# Altium PCB JMU-ETA-Ruler V1.0.PcbDoc (part 2 of 2)
Units mil, origin at the board's own origin, x right, y up, seen from the top; angles counter-clockwise.
Board outline 6151.76 x 960.54 mil, 2 copper layers (Top Layer, Bottom Layer); 27 components, 0 nets, 843 pads, 6 vias.
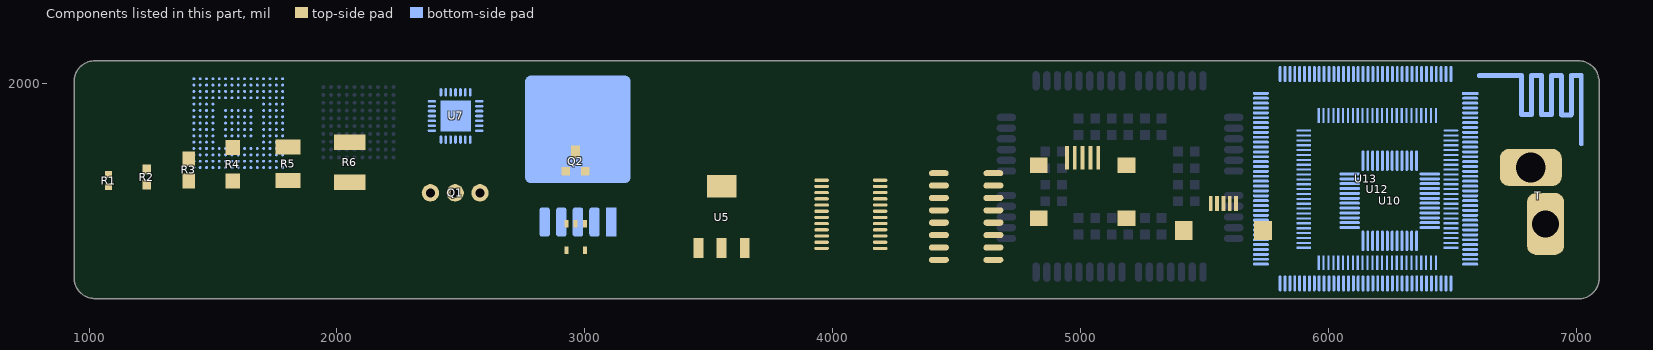
[diagram p2: the components of this part, seen from the top]

## Via types
v1: diameter 125.98, hole 118.11, Top Layer to Bottom Layer, 1 vias
v2: diameter 86.61, hole 78.74, Top Layer to Bottom Layer, 1 vias
v3: diameter 66.93, hole 59.06, Top Layer to Bottom Layer, 1 vias
v4: diameter 43.31, hole 35.43, Top Layer to Bottom Layer, 1 vias
v5: diameter 35.43, hole 27.56, Top Layer to Bottom Layer, 1 vias
v6: diameter 27.56, hole 19.68, Top Layer to Bottom Layer, 1 vias

## Nets (pads, with @x,y where several pads share a name; then routed paths per layer and width w, separated by ;. In a path a pad name is that pad's centre, name@x,y a point inside that pad or via, vN(x,y) a via of type N, cw(c..) or ccw(c..) an arc to the next point about the centre after c; other vN are vias at no path point) (continued)
copper on no net: | length 29647
  Top Layer w0.2: 1050.4,1811.8 1066.8,1811.8 ; 1050.4,1812 1067.2,1812 ; 1050.6,1811.6 1066.4,1811.6 ; 1050.6,1812.2 1067.6,1812.2 ; 1050.8,1811.4 1066,1811.4 ; 1050.8,1812.4 1068,1812.4 ; 1051,1811.2 1065.6,1811.2 ; 1051,1812.6 1068.4,1812.6 ; 1051.2,1811 1065.4,1811 ; 1051.2,1812.8 1068.8,1812.8 ; 1051.4,1810.8 1065,1810.8 ; 1051.4,1813 1069.2,1813 ; 1051.6,1810.6 1064.6,1810.6 ; 1051.6,1813.2 1069.6,1813.2 ; 1051.8,1810.4 1064.4,1810.4 ; 1051.8,1813.4 1070.2,1813.4 ; 1052,1810.2 1064,1810.2 ; 1052,1813.6 1070.6,1813.6 ; 1052.2,1810 1063.8,1810 ; 1052.2,1813.8 1071,1813.8 ; 1052.4,1809.8 1063.4,1809.8 ; 1052.6,1809.6 1063.2,1809.6 ; 1052.6,1814 1071.6,1814 ; 1052.8,1809.4 1062.8,1809.4 ; 1052.8,1814.2 1072.2,1814.2 ; 1053,1809.2 1062.6,1809.2 ; 1053,1814.4 1072.8,1814.4 ; 1053.2,1809 1062.2,1809 ; 1053.2,1814.6 1073.4,1814.6 ; 1053.4,1808.8 1062,1808.8 ; 1053.4,1814.8 1074,1814.8 ; 1053.6,1808.6 1061.8,1808.6 ; 1053.6,1815 1074.6,1815 ; 1053.8,1808.4 1061.4,1808.4 ; 1054,1808.2 1061.2,1808.2 ; 1054,1815.2 1075.4,1815.2 ; 1054.2,1808 1061,1808 ; 1054.2,1815.4 1076.2,1815.4 ; 1054.4,1807.8 1060.6,1807.8 ; 1054.4,1815.6 1077,1815.6 ; 1054.6,1807.6 1060.4,1807.6 ; 1054.6,1815.8 1078,1815.8 ; 1054.8,1807.4 1060.2,1807.4 ; 1055,1807.2 1060,1807.2 ; 1055,1816 1079.2,1816 ; 1055.2,1807 1059.8,1807 ; 1055.2,1816.2 1080.6,1816.2 ; 1055.4,1806.8 1059.4,1806.8 ; 1055.4,1816.4 1082.6,1816.4 ; 1055.6,1806.6 1059.2,1806.6 ; 1055.8,1806.4 1059,1806.4 ; 1055.8,1816.6 1115.4,1816.6 ; 1056,1806.2 1058.8,1806.2 ; 1056,1816.8 1115.2,1816.8 ; 1056.2,1806 1058.6,1806 ; 1056.2,1817 1115,1817 ; 1056.4,1805.8 1058.4,1805.8 ; 1056.6,1805.6 1058.2,1805.6 ; 1056.6,1817.2 1114.6,1817.2 ; 1056.8,1805.4 1058,1805.4 ; 1056.8,1817.4 1114.4,1817.4 ; 1057,1805.2 1057.8,1805.2 ; 1057.2,1805 1057.6,1805 ; 1057.2,1817.6 1114,1817.6 ; 1057.4,1817.8 1113.8,1817.8 ; 1057.6,1818 1113.6,1818 ; 1058,1818.2 1113.2,1818.2 ; 1058.4,1818.4 1113,1818.4 ; 1058.6,1818.6 1112.6,1818.6 ; 1059,1818.8 1112.2,1818.8 ; 1059.2,1819 1112,1819 ; 1059.6,1819.2 1111.6,1819.2 ; 1059.8,1819.4 1111.4,1819.4 ; 1060.2,1819.6 1111,1819.6 ; 1060.6,1819.8 1110.6,1819.8 ; 1061,1820 1110.2,1820 ; 1061.2,1820.2 1110,1820.2 ; 1061.6,1820.4 1109.6,1820.4 ; 1062,1820.6 1109.2,1820.6 ; 1062.4,1820.8 1108.8,1820.8 ; 1062.8,1821 1108.4,1821 ; 1063.2,1821.2 1108,1821.2 ; 1063.6,1821.4 1107.6,1821.4 ; 1064,1821.6 1107.2,1821.6 ; 1064.4,1797.8 1106.8,1797.8 ; 1064.4,1821.8 1106.8,1821.8 ; 1064.6,1797.6 1106.8,1797.6 ; 1064.6,1798 1106.6,1798 ; 1064.8,1797.4 1106.6,1797.4 ; 1064.8,1798.2 1106.4,1798.2 ; 1064.8,1822 1106.4,1822 ; 1065,1797.2 1106.4,1797.2 ; 1065,1798.4 1106.2,1798.4 ; 1065.2,1797 1106.2,1797 ; 1065.2,1798.6 1106,1798.6 ; 1065.2,1822.2 1106,1822.2 ; 1065.4,1796.8 1106,1796.8 ; 1065.6,1796.6 1105.8,1796.6 ; 1065.6,1798.8 1105.6,1798.8 ; 1065.8,1796.4 1083.4,1796.4 ; 1065.8,1799 1105.4,1799 ; 1065.8,1822.4 1105.4,1822.4 ; 1066,1796.2 1082,1796.2 ; 1066,1799.2 1105.2,1799.2 ; 1066.2,1796 1081,1796 ; 1066.2,1799.4 1105,1799.4 ; 1066.2,1822.6 1105,1822.6 ; 1066.4,1795.8 1080.2,1795.8 ; 1066.4,1799.6 1104.8,1799.6 ; 1066.6,1795.6 1079.6,1795.6 ; 1066.6,1799.8 1104.6,1799.8 ; 1066.6,1822.8 1104.6,1822.8 ; 1066.8,1795.4 1079,1795.4 ; 1067,1795.2 1078.4,1795.2 ; 1067,1800 1104.2,1800 ; 1067.2,1795 1078,1795 ; 1067.2,1800.2 1104,1800.2 ; 1067.2,1823 1104,1823 ; 1067.4,1794.8 1077.4,1794.8 ; 1067.4,1800.4 1103.8,1800.4 ; 1067.6,1794.6 1077,1794.6 ; 1067.6,1800.6 1103.6,1800.6 ; 1067.8,1794.4 1076.6,1794.4 ; 1067.8,1823.2 1103.4,1823.2 ; 1068,1794.2 1076.2,1794.2 ; 1068,1800.8 1103.2,1800.8 ; 1068.2,1794 1075.8,1794 ; 1068.2,1801 1103,1801 ; 1068.2,1823.4 1103,1823.4 ; 1068.4,1793.8 1075.6,1793.8 ; 1068.6,1793.6 1075.2,1793.6 ; 1068.6,1801.2 1102.6,1801.2 ; 1068.8,1793.4 1074.8,1793.4 ; 1068.8,1801.4 1102.4,1801.4 ; 1068.8,1823.6 1102.4,1823.6 ; 1069,1793.2 1074.6,1793.2 ; 1069.2,1793 1074.2,1793 ; 1069.2,1801.6 1102,1801.6 ; 1069.4,1792.8 1074,1792.8 ; 1069.4,1801.8 1101.8,1801.8 ; 1069.4,1823.8 1101.8,1823.8 ; 1069.6,1792.6 1073.6,1792.6 ; 1069.8,1792.4 1073.4,1792.4 ; 1069.8,1802 1101.4,1802 ; 1070,1792.2 1073.2,1792.2 ; 1070,1802.2 1101.2,1802.2 ; 1070,1824 1101.2,1824 ; 1070.2,1792 1073,1792 ; 1070.4,1791.8 1072.6,1791.8 ; 1070.4,1802.4 1100.8,1802.4 ; 1070.6,1791.6 1072.4,1791.6 ; 1070.6,1824.2 1100.6,1824.2 ; 1070.8,1791.4 1072.2,1791.4 ; 1070.8,1802.6 1100.4,1802.6 ; 1071,1791.2 1072,1791.2 ; 1071.2,1791 1071.8,1791 ; 1071.2,1802.8 1100,1802.8 ; 1071.2,1824.4 1100,1824.4 ; 1071.4,1790.8 1071.6,1790.8 ; 1071.4,1803 1099.8,1803 ; 1071.8,1803.2 1099.4,1803.2 ; 1071.8,1824.6 1099.4,1824.6 ; 1072.2,1803.4 1099,1803.4 ; 1072.6,1803.6 1098.6,1803.6 ; 1072.6,1824.8 1098.6,1824.8 ; 1073,1803.8 1098,1803.8 ; 1073.4,1825 1097.8,1825 ; 1073.6,1804 1097.6,1804 ; 1074,1804.2 1097.2,1804.2 ; 1074.2,1825.2 1097,1825.2 ; 1074.6,1804.4 1096.6,1804.4 ; 1075,1804.6 1096.2,1804.6 ; 1075.2,1825.4 1096,1825.4 ; 1075.6,1804.8 1095.6,1804.8 ; 1076.2,1805 1095,1805 ; 1076.2,1825.6 1095,1825.6 ; 1076.8,1805.2 1094.4,1805.2 ; 1077.2,1825.8 1094,1825.8 ; 1077.4,1805.4 1093.8,1805.4 ; 1078.2,1805.6 1093,1805.6 ; 1078.6,1783.6 1092.6,1783.6 ; 1078.6,1826 1092.6,1826 ; 1078.8,1783.4 1092.6,1783.4 ; 1078.8,1783.8 1092.4,1783.8 ; 1079,1783.2 1092.4,1783.2 ; 1079,1784 1092.2,1784 ; 1079,1805.8 1092.2,1805.8 ; 1079.2,1783 1092.2,1783 ; 1079.2,1784.2 1092,1784.2 ; 1079.4,1782.8 1092,1782.8 ; 1079.4,1784.4 1091.8,1784.4 ; 1079.6,1782.6 1091.8,1782.6 ; 1079.6,1784.6 1091.6,1784.6 ; 1079.8,1782.4 1091.6,1782.4 ; 1080,1782.2 1091.4,1782.2 ; 1080,1784.8 1091.2,1784.8 ; 1080,1806 1091.2,1806 ; 1080.2,1782 1091.2,1782 ; 1080.2,1785 1091,1785 ; 1080.2,1826.2 1091,1826.2 ; 1080.4,1781.8 1091,1781.8 ; 1080.6,1781.6 1090.8,1781.6 ; 1080.6,1785.2 1090.6,1785.2 ; 1080.8,1781.4 1090.6,1781.4 ; 1081,1781.2 1090.4,1781.2 ; 1081,1785.4 1090.2,1785.4 ; 1081.2,1781 1090.2,1781 ; 1081.2,1806.2 1090,1806.2 ; 1081.4,1780.8 1090,1780.8 ; 1081.4,1785.6 1089.8,1785.6 ; 1081.6,1780.6 1089.8,1780.6 ; 1081.8,1780.4 1089.6,1780.4 ; 1081.8,1785.8 1089.4,1785.8 ; 1082,1780.2 1089.4,1780.2 ; 1082.2,1780 1089.2,1780 ; 1082.4,1779.8 1089,1779.8 ; 1082.4,1786 1088.8,1786 ; 1082.4,1826.4 1088.8,1826.4 ; 1082.6,1779.6 1088.8,1779.6 ; 1082.8,1779.4 1088.6,1779.4 ; 1083,1779.2 1088.4,1779.2 ; 1083,1786.2 1088.2,1786.2 ; 1083,1806.4 1088.2,1806.4 ; 1083.2,1779 1088.2,1779 ; 1083.4,1778.8 1088,1778.8 ; 1083.6,1778.6 1087.8,1778.6 ; 1083.8,1778.4 1087.6,1778.4 ; 1084,1778.2 1087.4,1778.2 ; 1084,1786.4 1087.2,1786.4 ; 1084.2,1778 1087.2,1778 ; 1084.4,1777.8 1087,1777.8 ; 1084.6,1777.6 1086.8,1777.6 ; 1084.8,1777.4 1086.6,1777.4 ; 1085,1777.2 1086.4,1777.2 ; 1085.2,1777 1086.2,1777 ; 1085.4,1776.8 1086,1776.8 ; 1085.6,1776.6 1085.8,1776.6 ; 1087.8,1796.4 1105.6,1796.4 ; 1088.6,1816.4 1115.8,1816.4 ; 1089.2,1796.2 1105.4,1796.2 ; 1090.2,1796 1105.2,1796 ; 1090.6,1816.2 1116,1816.2 ; 1091,1795.8 1105,1795.8 ; 1091.6,1795.6 1104.8,1795.6 ; 1092,1816 1116.2,1816 ; 1092.2,1795.4 1104.6,1795.4 ; 1092.8,1795.2 1104.4,1795.2 ; 1093.2,1795 1104.2,1795 ; 1093.2,1815.8 1116.6,1815.8 ; 1093.8,1794.8 1104,1794.8 ; 1094.2,1794.6 1103.8,1794.6 ; 1094.2,1815.6 1116.8,1815.6 ; 1094.6,1794.4 1103.6,1794.4 ; 1095,1794.2 1103.4,1794.2 ; 1095,1815.4 1117,1815.4 ; 1095.4,1794 1103.2,1794 ; 1095.6,1793.8 1103,1793.8 ; 1095.8,1815.2 1117.2,1815.2 ; 1096,1793.6 1102.8,1793.6 ; 1096.4,1793.4 1102.6,1793.4 ; 1096.6,1793.2 1102.4,1793.2 ; 1096.6,1815 1117.6,1815 ; 1097,1793 1102.2,1793 ; 1097.2,1792.8 1102,1792.8 ; 1097.2,1814.8 1117.8,1814.8 ; 1097.6,1792.6 1101.8,1792.6 ; 1097.8,1792.4 1101.6,1792.4 ; 1097.8,1814.6 1118,1814.6 ; 1098,1792.2 1101.4,1792.2 ; 1098.2,1792 1101.2,1792 ; 1098.4,1814.4 1118.2,1814.4 ; 1098.6,1791.8 1101,1791.8 ; 1098.8,1791.6 1100.8,1791.6 ; 1099,1791.4 1100.6,1791.4 ; 1099,1814.2 1118.4,1814.2 ; 1099.2,1791.2 1100.4,1791.2 ; 1099.4,1791 1100.2,1791 ; 1099.6,1790.8 1100,1790.8 ; 1099.6,1814 1118.6,1814 ; 1100.2,1813.8 1119,1813.8 ; 1100.6,1813.6 1119.2,1813.6 ; 1101,1813.4 1119.4,1813.4 ; 1101.6,1813.2 1119.6,1813.2 ; 1102,1813 1119.8,1813 ; 1102.4,1812.8 1120,1812.8 ; 1102.8,1812.6 1120.2,1812.6 ; 1103.2,1812.4 1120.4,1812.4 ; 1103.6,1812.2 1120.6,1812.2 ; 1104,1812 1120.8,1812 ; 1104.4,1811.8 1121,1811.8 ; 1104.8,1811.6 1120.8,1811.6 ; 1105.2,1811.4 1120.6,1811.4 ; 1105.6,1811.2 1120.4,1811.2 ; 1105.8,1811 1120.2,1811 ; 1106.2,1810.8 1120,1810.8 ; 1106.6,1810.6 1119.8,1810.6 ; 1106.8,1810.4 1119.6,1810.4 ; 1107.2,1810.2 1119.4,1810.2 ; 1107.4,1810 1119.2,1810 ; 1107.8,1809.8 1119,1809.8 ; 1108,1809.6 1118.8,1809.6 ; 1108.4,1809.4 1118.6,1809.4 ; 1108.6,1809.2 1118.4,1809.2 ; 1109,1809 1118.2,1809 ; 1109.2,1808.8 1118,1808.8 ; 1109.4,1808.6 1117.8,1808.6 ; 1109.8,1808.4 1117.6,1808.4 ; 1110,1808.2 1117.4,1808.2 ; 1110.2,1808 1117.2,1808 ; 1110.6,1807.8 1117,1807.8 ; 1110.8,1807.6 1116.8,1807.6 ; 1111,1807.4 1116.6,1807.4 ; 1111.2,1807.2 1116.4,1807.2 ; 1111.4,1807 1116.2,1807 ; 1111.8,1806.8 1116,1806.8 ; 1112,1806.6 1115.8,1806.6 ; 1112.2,1806.4 1115.6,1806.4 ; 1112.4,1806.2 1115.4,1806.2 ; 1112.6,1806 1115.2,1806 ; 1112.8,1805.8 1115,1805.8 ; 1113,1805.6 1114.8,1805.6 ; 1113.2,1805.4 1114.6,1805.4 ; 1113.4,1805.2 1114.4,1805.2 ; 1113.6,1805 1114.2,1805
  Top Layer w0.4: 1195.4,1816.6 1210.6,1816.6 ; 1196.2,1782.6 1210.6,1782.6 ; 1196.2,1783 1211.4,1783 ; 1196.2,1816.2 1211.4,1816.2 ; 1196.2,1817 1209.8,1817 ; 1196.6,1782.2 1209.8,1782.2 ; 1196.6,1817.4 1209.4,1817.4 ; 1197,1783.4 1211.8,1783.4 ; 1197,1815.8 1212.2,1815.8 ; 1197.4,1781.8 1209,1781.8 ; 1197.4,1783.8 1212.6,1783.8 ; 1197.4,1817.8 1208.6,1817.8 ; 1197.8,1784.2 1213.4,1784.2 ; 1197.8,1815.4 1212.6,1815.4 ; 1198.2,1781.4 1208.6,1781.4 ; 1198.2,1815 1213.4,1815 ; 1198.2,1818.2 1207.8,1818.2 ; 1198.6,1784.6 1213.8,1784.6 ; 1199,1781 1207.8,1781 ; 1199,1785 1214.6,1785 ; 1199,1814.6 1213.8,1814.6 ; 1199,1818.6 1207.4,1818.6 ; 1199.4,1780.6 1207,1780.6 ; 1199.4,1819 1206.6,1819 ; 1199.8,1814.2 1214.6,1814.2 ; 1200.2,1780.2 1206.6,1780.2 ; 1200.2,1785.4 1215.4,1785.4 ; 1200.2,1819.4 1205.8,1819.4 ; 1200.6,1813.8 1215.4,1813.8 ; 1201,1779.8 1205.8,1779.8 ; 1201,1785.8 1215.8,1785.8 ; 1201,1813.4 1216.2,1813.4 ; 1201,1819.8 1205.4,1819.8 ; 1201.4,1779.4 1205.4,1779.4 ; 1201.4,1786.2 1216.6,1786.2 ; 1201.4,1820.2 1204.6,1820.2 ; 1201.8,1813 1216.6,1813 ; 1202.2,1779 1204.6,1779 ; 1202.2,1786.6 1217.4,1786.6 ; 1202.2,1820.6 1203.8,1820.6 ; 1202.6,1787 1217.8,1787 ; 1202.6,1812.6 1217.4,1812.6 ; 1203,1778.6 1203.8,1778.6 ; 1203,1787.4 1218.6,1787.4 ; 1203,1812.2 1217.8,1812.2 ; 1203,1821 1203.4,1821 ; 1203.8,1787.8 1219,1787.8 ; 1203.8,1811.8 1218.6,1811.8 ; 1204.6,1788.2 1220.2,1788.2 ; 1204.6,1811.4 1219.4,1811.4 ; 1205,1788.6 1220.6,1788.6 ; 1205,1811 1219.8,1811 ; 1205.8,1789 1221.4,1789 ; 1205.8,1810.6 1220.6,1810.6 ; 1206.2,1810.2 1221.4,1810.2 ; 1206.6,1789.4 1221.8,1789.4 ; 1207,1789.8 1222.6,1789.8 ; 1207,1809.8 1221.8,1809.8 ; 1207.8,1790.2 1223.4,1790.2 ; 1207.8,1809.4 1222.6,1809.4 ; 1208.6,1790.6 1224.2,1790.6 ; 1208.6,1809 1223.4,1809 ; 1209,1808.6 1224.2,1808.6 ; 1209.4,1791 1224.6,1791 ; 1209.8,1791.4 1253,1791.4 ; 1209.8,1808.2 1253.4,1808.2 ; 1210.6,1791.8 1252.2,1791.8 ; 1210.6,1807.8 1252.6,1807.8 ; 1211,1807.4 1252.2,1807.4 ; 1211.4,1792.2 1251.4,1792.2 ; 1211.8,1792.6 1251,1792.6 ; 1211.8,1807 1251.4,1807 ; 1212.2,1806.6 1250.6,1806.6 ; 1212.6,1793 1250.2,1793 ; 1213,1806.2 1249.8,1806.2 ; 1213.4,1793.4 1249.4,1793.4 ; 1213.8,1793.8 1249,1793.8 ; 1213.8,1805.8 1249.4,1805.8 ; 1214.6,1794.2 1248.2,1794.2 ; 1214.6,1805.4 1248.6,1805.4 ; 1215,1805 1248.2,1805 ; 1215.4,1794.6 1247.4,1794.6 ; 1215.8,1804.6 1247.4,1804.6 ; 1216.2,1795 1247,1795 ; 1216.6,1795.4 1246.2,1795.4 ; 1216.6,1804.2 1246.6,1804.2 ; 1217,1803.8 1246.2,1803.8 ; 1217.4,1795.8 1245.4,1795.8 ; 1217.8,1803.4 1245.4,1803.4 ; 1218.2,1796.2 1245,1796.2 ; 1218.6,1796.6 1244.2,1796.6 ; 1218.6,1803 1244.6,1803 ; 1219,1802.6 1244.2,1802.6 ; 1219.4,1797 1243.4,1797 ; 1219.8,1797.4 1243,1797.4 ; 1219.8,1802.2 1243.4,1802.2 ; 1220.6,1797.8 1242.2,1797.8 ; 1220.6,1801.8 1242.6,1801.8 ; 1221,1801.4 1241.8,1801.4 ; 1221.4,1798.2 1241.4,1798.2 ; 1221.4,1801 1241.4,1801 ; 1221.8,1798.6 1241,1798.6 ; 1222.2,1800.6 1240.6,1800.6 ; 1222.6,1799 1240.2,1799 ; 1223,1799.4 1239.4,1799.4 ; 1223,1799.8 1239.4,1799.8 ; 1223,1800.2 1239.8,1800.2 ; 1225.8,1791 1237.4,1791 ; 1226.2,1758.2 1227,1758.2 ; 1226.2,1758.6 1227.4,1758.6 ; 1226.2,1759 1228.2,1759 ; 1226.2,1759.4 1229,1759.4 ; 1226.2,1759.8 1229.4,1759.8 ; 1226.2,1760.2 1230.2,1760.2 ; 1226.2,1760.6 1231,1760.6 ; 1226.2,1761 1231.4,1761 ; 1226.2,1761.4 1232.2,1761.4 ; 1226.2,1761.8 1233,1761.8 ; 1226.2,1762.2 1233.4,1762.2 ; 1226.2,1762.6 1234.2,1762.6 ; 1226.2,1763 1234.6,1763 ; 1226.2,1763.4 1235.4,1763.4 ; 1226.2,1763.8 1236.2,1763.8 ; 1226.2,1764.2 1237,1764.2 ; 1226.2,1764.6 1237.4,1764.6 ; 1226.2,1765 1238.2,1765 ; 1226.2,1765.4 1239,1765.4 ; 1226.2,1765.8 1239.4,1765.8 ; 1226.2,1766.2 1240.2,1766.2 ; 1226.2,1766.6 1241,1766.6 ; 1226.2,1767 1241.8,1767 ; 1226.2,1767.4 1242.2,1767.4 ; 1226.2,1767.8 1243,1767.8 ; 1226.2,1768.2 1243.8,1768.2 ; 1226.2,1768.6 1244.2,1768.6 ; 1226.2,1769 1245,1769 ; 1226.2,1769.4 1245.4,1769.4 ; 1226.2,1769.8 1246.2,1769.8 ; 1226.2,1770.2 1247,1770.2 ; 1226.2,1770.6 1247.4,1770.6 ; 1226.2,1771 1248.2,1771 ; 1226.2,1771.4 1249,1771.4 ; 1226.2,1771.8 1249.8,1771.8 ; 1226.2,1772.2 1250.2,1772.2 ; 1226.2,1772.6 1251,1772.6 ; 1226.2,1773 1251.8,1773 ; 1226.2,1773.4 1252.2,1773.4 ; 1226.2,1773.8 1253,1773.8 ; 1226.2,1774.2 1237.4,1774.2 ; 1226.2,1774.6 1237.4,1774.6 ; 1226.2,1775 1237.4,1775 ; 1226.2,1775.4 1237.4,1775.4 ; 1226.2,1775.8 1237.4,1775.8 ; 1226.2,1776.2 1237.4,1776.2 ; 1226.2,1776.6 1237.4,1776.6 ; 1226.2,1777 1237.4,1777 ; 1226.2,1777.4 1237.4,1777.4 ; 1226.2,1777.8 1237.4,1777.8 ; 1226.2,1778.2 1237.4,1778.2 ; 1226.2,1778.6 1237.4,1778.6 ; 1226.2,1779 1237.4,1779 ; 1226.2,1779.4 1237.4,1779.4 ; 1226.2,1779.8 1237.4,1779.8 ; 1226.2,1780.2 1237.4,1780.2 ; 1226.2,1780.6 1237.4,1780.6 ; 1226.2,1781 1237.4,1781 ; 1226.2,1781.4 1237.4,1781.4 ; 1226.2,1781.8 1237.4,1781.8 ; 1226.2,1782.2 1237.4,1782.2 ; 1226.2,1782.6 1237.4,1782.6 ; 1226.2,1783 1237.4,1783 ; 1226.2,1783.4 1237.4,1783.4 ; 1226.2,1783.8 1237.4,1783.8 ; 1226.2,1784.2 1237.4,1784.2 ; 1226.2,1784.6 1237.4,1784.6 ; 1226.2,1785 1237.4,1785 ; 1226.2,1785.4 1237.4,1785.4 ; 1226.2,1785.8 1237.4,1785.8 ; 1226.2,1786.2 1237.4,1786.2 ; 1226.2,1786.6 1237.4,1786.6 ; 1226.2,1787 1237.4,1787 ; 1226.2,1787.4 1237.4,1787.4 ; 1226.2,1787.8 1237.4,1787.8 ; 1226.2,1788.2 1237.4,1788.2 ; 1226.2,1788.6 1237.4,1788.6 ; 1226.2,1789 1237.4,1789 ; 1226.2,1789.4 1237.4,1789.4 ; 1226.2,1789.8 1237.4,1789.8 ; 1226.2,1790.2 1237.4,1790.2 ; 1226.2,1790.6 1237,1790.6 ; 1226.2,1808.6 1237,1808.6 ; 1226.2,1809 1237.4,1809 ; 1226.2,1809.4 1237.4,1809.4 ; 1226.2,1809.8 1237,1809.8 ; 1226.2,1810.2 1237.4,1810.2 ; 1226.2,1810.6 1237.4,1810.6 ; 1226.2,1811 1237.4,1811 ; 1226.2,1811.4 1237.4,1811.4 ; 1226.2,1811.8 1237.4,1811.8 ; 1226.2,1812.2 1237.4,1812.2 ; 1226.2,1812.6 1237.4,1812.6 ; 1226.2,1813 1237.4,1813 ; 1226.2,1813.4 1237.4,1813.4 ; 1226.2,1813.8 1237.4,1813.8 ; 1226.2,1814.2 1237.4,1814.2 ; 1226.2,1814.6 1237.4,1814.6 ; 1226.2,1815 1237.4,1815 ; 1226.2,1815.4 1237.4,1815.4 ; 1226.2,1815.8 1237.4,1815.8 ; 1226.2,1816.2 1237.4,1816.2 ; 1226.2,1816.6 1237.4,1816.6 ; 1226.2,1817 1237.4,1817 ; 1226.2,1817.4 1237.4,1817.4 ; 1226.2,1817.8 1237.4,1817.8 ; 1226.2,1818.2 1237.4,1818.2 ; 1226.2,1818.6 1237.4,1818.6 ; 1226.2,1819 1237.4,1819 ; 1226.2,1819.4 1237.4,1819.4 ; 1226.2,1819.8 1237.4,1819.8 ; 1226.2,1820.2 1237.4,1820.2 ; 1226.2,1820.6 1237.4,1820.6 ; 1226.2,1821 1237.4,1821 ; 1226.2,1821.4 1237.4,1821.4 ; 1226.2,1821.8 1237.4,1821.8 ; 1226.2,1822.2 1237,1822.2 ; 1226.2,1822.6 1237.4,1822.6 ; 1226.2,1823 1237.4,1823 ; 1226.2,1823.4 1237,1823.4 ; 1226.2,1823.8 1237.4,1823.8 ; 1226.2,1824.2 1237.4,1824.2 ; 1226.2,1824.6 1237,1824.6 ; 1226.2,1825 1237.4,1825 ; 1226.2,1825.4 1253,1825.4 ; 1226.2,1825.8 1252.6,1825.8 ; 1226.2,1826.2 1251.8,1826.2 ; 1226.2,1826.6 1251,1826.6 ; 1226.2,1827 1250.6,1827 ; 1226.2,1827.4 1249.8,1827.4 ; 1226.2,1827.8 1249.4,1827.8 ; 1226.2,1828.2 1248.6,1828.2 ; 1226.2,1828.6 1247.8,1828.6 ; 1226.2,1829 1247,1829 ; 1226.2,1829.4 1246.6,1829.4 ; 1226.2,1829.8 1245.8,1829.8 ; 1226.2,1830.2 1245.4,1830.2 ; 1226.2,1830.6 1244.6,1830.6 ; 1226.2,1831 1243.8,1831 ; 1226.2,1831.4 1243,1831.4 ; 1226.2,1831.8 1242.6,1831.8 ; 1226.2,1832.2 1241.8,1832.2 ; 1226.2,1832.6 1241,1832.6 ; 1226.2,1833 1240.6,1833 ; 1226.2,1833.4 1239.8,1833.4 ; 1226.2,1833.8 1239,1833.8 ; 1226.2,1834.2 1238.2,1834.2 ; 1226.2,1834.6 1237.8,1834.6 ; 1226.2,1835 1237,1835 ; 1226.2,1835.4 1236.2,1835.4 ; 1226.2,1835.8 1235.8,1835.8 ; 1226.2,1836.2 1235,1836.2 ; 1226.2,1836.6 1234.6,1836.6 ; 1226.2,1837 1233.8,1837 ; 1226.2,1837.4 1233,1837.4 ; 1226.2,1837.8 1232.6,1837.8 ; 1226.2,1838.2 1231.8,1838.2 ; 1226.2,1838.6 1231,1838.6 ; 1226.2,1839 1230.2,1839 ; 1226.2,1839.4 1229.8,1839.4 ; 1226.2,1839.8 1229,1839.8 ; 1226.2,1840.2 1228.2,1840.2 ; 1226.2,1840.6 1227.8,1840.6 ; 1226.2,1841 1227,1841 ; 1226.2,1841.4 1226.6,1841.4 ; 1238.2,1774.2 1253.8,1774.2 ; 1238.2,1791 1253.4,1791 ; 1238.6,1808.6 1254.2,1808.6 ; 1238.6,1825 1253.8,1825 ; 1239,1774.6 1254.2,1774.6 ; 1239,1790.6 1254.2,1790.6 ; 1239,1824.6 1254.6,1824.6 ; 1239.4,1809 1254.6,1809 ; 1239.8,1775 1255,1775 ; 1239.8,1790.2 1255,1790.2 ; 1239.8,1809.4 1255.4,1809.4 ; 1239.8,1824.2 1255.4,1824.2 ; 1240.2,1775.4 1255.8,1775.4 ; 1240.2,1789.8 1255.8,1789.8 ; 1240.6,1809.8 1256.2,1809.8 ; 1240.6,1823.8 1255.8,1823.8 ; 1241,1775.8 1256.2,1775.8 ; 1241,1789.4 1256.2,1789.4 ; 1241,1823.4 1256.6,1823.4 ; 1241.4,1776.2 1257,1776.2 ; 1241.4,1789 1257,1789 ; 1241.4,1810.2 1256.6,1810.2 ; 1241.8,1810.6 1257.4,1810.6 ; 1241.8,1823 1257.4,1823 ; 1242.2,1776.6 1257.4,1776.6 ; 1242.2,1788.6 1257.4,1788.6 ; 1242.6,1811 1258.2,1811 ; 1242.6,1822.6 1257.8,1822.6 ; 1243,1777 1258.6,1777 ; 1243,1788.2 1258.2,1788.2 ; 1243,1822.2 1258.6,1822.2 ; 1243.4,1811.4 1258.6,1811.4 ; 1243.8,1777.4 1259,1777.4 ; 1243.8,1787.8 1259,1787.8 ; 1243.8,1811.8 1259.4,1811.8 ; 1243.8,1821.8 1259.4,1821.8 ; 1244.2,1777.8 1259.8,1777.8 ; 1244.2,1787.4 1259.4,1787.4 ; 1244.6,1812.2 1260.2,1812.2 ; 1244.6,1821.4 1259.8,1821.4 ; 1245,1778.2 1260.2,1778.2 ; 1245,1787 1260.2,1787 ; 1245,1821 1260.6,1821 ; 1245.4,1812.6 1260.6,1812.6 ; 1245.8,1778.6 1261,1778.6 ; 1245.8,1786.6 1261,1786.6 ; 1245.8,1820.6 1261.4,1820.6 ; 1246.2,1779 1261.8,1779 ; 1246.2,1786.2 1261.4,1786.2 ; 1246.2,1813 1261.4,1813 ; 1246.6,1813.4 1262.2,1813.4 ; 1246.6,1820.2 1261.8,1820.2 ; 1247,1779.4 1262.2,1779.4 ; 1247,1785.8 1262.2,1785.8 ; 1247.4,1779.8 1263,1779.8 ; 1247.4,1813.8 1262.6,1813.8 ; 1247.4,1819.8 1262.6,1819.8 ; 1247.8,1785.4 1263,1785.4 ; 1247.8,1814.2 1263.4,1814.2 ; 1247.8,1819.4 1263.4,1819.4 ; 1248.2,1780.2 1263.8,1780.2 ; 1248.2,1785 1263.8,1785 ; 1248.6,1814.6 1264.2,1814.6 ; 1248.6,1819 1263.8,1819 ; 1249,1780.6 1264.2,1780.6 ; 1249,1784.6 1264.2,1784.6 ; 1249,1818.6 1264.6,1818.6 ; 1249.4,1815 1265,1815 ; 1249.8,1781 1265,1781 ; 1249.8,1784.2 1265,1784.2 ; 1249.8,1818.2 1265.4,1818.2 ; 1250.2,1783.8 1265.8,1783.8 ; 1250.2,1815.4 1265.4,1815.4 ; 1250.6,1781.4 1265.8,1781.4 ; 1250.6,1815.8 1266.2,1815.8 ; 1250.6,1817.8 1265.8,1817.8 ; 1251,1781.8 1266.6,1781.8 ; 1251,1783.4 1266.2,1783.4 ; 1251.4,1816.2 1267,1816.2 ; 1251.4,1817.4 1266.6,1817.4 ; 1251.8,1782.2 1267,1782.2 ; 1251.8,1782.6 1267.8,1782.6 ; 1251.8,1783 1267,1783 ; 1251.8,1816.6 1267.4,1816.6 ; 1251.8,1817 1267.4,1817
  Top Layer w10: 1062.99,1929.13 1062.99,2086.61 ; 1102.36,2007.87 1102.36,2086.61 ; 1141.73,2007.87 1141.73,2086.61 ; 1181.1,2007.87 1181.1,2086.61 ; 1220.47,2007.87 1220.47,2086.61 ; 1259.84,1968.5 1259.84,2086.61 ; 1299.21,2007.87 1299.21,2086.61 ; 1338.58,2007.87 1338.58,2086.61 ; 1377.95,2007.87 1377.95,2086.61 ; 1417.32,2007.87 1417.32,2086.61 ; 1456.69,1929.13 1456.69,2086.61 ; 1496.06,2007.87 1496.06,2086.61 ; 1535.43,2007.87 1535.43,2086.61 ; 1574.8,2007.87 1574.8,2086.61 ; 1614.17,2007.87 1614.17,2086.61 ; 1653.54,1968.5 1653.54,2086.61 ; 1692.91,2007.87 1692.91,2086.61 ; 1732.28,2007.87 1732.28,2086.61 ; 1771.65,2007.87 1771.65,2086.61 ; 1811.02,2007.87 1811.02,2086.61 ; 1850.39,1929.13 1850.39,2086.61 ; 1889.76,2007.87 1889.76,2086.61 ; 1929.13,2007.87 1929.13,2086.61 ; 1968.5,2007.87 1968.5,2086.61 ; 2007.87,2007.87 2007.87,2086.61 ; 2047.24,1968.5 2047.24,2086.61 ; 2086.61,2007.87 2086.61,2086.61 ; 2125.98,2007.87 2125.98,2086.61 ; 2165.35,2007.87 2165.35,2086.61 ; 2204.72,2007.87 2204.72,2086.61 ; 2244.09,1929.13 2244.09,2086.61 ; 2283.46,2007.87 2283.46,2086.61 ; 2322.83,2007.87 2322.83,2086.61 ; 2362.2,2007.87 2362.2,2086.61 ; 2401.57,2007.87 2401.57,2086.61 ; 2440.94,1968.5 2440.94,2086.61 ; 2480.32,2007.87 2480.32,2086.61 ; 2519.68,2007.87 2519.68,2086.61 ; 2559.06,2007.87 2559.06,2086.61 ; 2598.43,2007.87 2598.43,2086.61 ; 2637.8,1929.13 2637.8,2086.61 ; 2677.17,2007.87 2677.17,2086.61 ; 2716.54,2007.87 2716.54,2086.61 ; 2755.91,2007.87 2755.91,2086.61 ; 2795.28,2007.87 2795.28,2086.61 ; 2834.65,1968.5 2834.65,2086.61 ; 2874.02,2007.87 2874.02,2086.61 ; 2913.39,2007.87 2913.39,2086.61 ; 2952.76,2007.87 2952.76,2086.61 ; 2992.13,2007.87 2992.13,2086.61 ; 3031.5,1929.13 3031.5,2086.61 ; 3070.87,2007.87 3070.87,2086.61 ; 3110.24,2007.87 3110.24,2086.61 ; 3149.61,2007.87 3149.61,2086.61 ; 3188.98,2007.87 3188.98,2086.61 ; 3228.35,1968.5 3228.35,2086.61 ; 3267.72,2007.87 3267.72,2086.61 ; 3307.09,2007.87 3307.09,2086.61 ; 3346.46,2007.87 3346.46,2086.61 ; 3385.83,2007.87 3385.83,2086.61 ; 3425.2,1929.13 3425.2,2086.61 ; 3464.57,2007.87 3464.57,2086.61 ; 3503.94,2007.87 3503.94,2086.61 ; 3543.31,2007.87 3543.31,2086.61 ; 3582.68,2007.87 3582.68,2086.61 ; 3622.05,1968.5 3622.05,2086.61 ; 3661.42,2007.87 3661.42,2086.61 ; 3700.79,2007.87 3700.79,2086.61 ; 3740.16,2007.87 3740.16,2086.61 ; 3779.53,2007.87 3779.53,2086.61 ; 3818.9,1929.13 3818.9,2086.61 ; 3858.27,2007.87 3858.27,2086.61 ; 3897.64,2007.87 3897.64,2086.61 ; 3937.01,2007.87 3937.01,2086.61 ; 3976.38,2007.87 3976.38,2086.61 ; 4015.75,1968.5 4015.75,2086.61 ; 4055.12,2007.87 4055.12,2086.61 ; 4094.49,2007.87 4094.49,2086.61 ; 4133.86,2007.87 4133.86,2086.61 ; 4173.23,2007.87 4173.23,2086.61 ; 4212.6,1929.13 4212.6,2086.61 ; 4251.97,2007.87 4251.97,2086.61 ; 4291.34,2007.87 4291.34,2086.61 ; 4330.71,2007.87 4330.71,2086.61 ; 4370.08,2007.87 4370.08,2086.61 ; 4409.45,1968.5 4409.45,2086.61 ; 4448.82,2007.87 4448.82,2086.61 ; 4488.19,2007.87 4488.19,2086.61 ; 4527.56,2007.87 4527.56,2086.61 ; 4566.93,2007.87 4566.93,2086.61 ; 4606.3,1929.13 4606.3,2086.61 ; 4645.67,2007.87 4645.67,2086.61 ; 4685.04,2007.87 4685.04,2086.61 ; 4724.41,2007.87 4724.41,2086.61 ; 4763.78,2007.87 4763.78,2086.61 ; 4803.15,1968.5 4803.15,2086.61 ; 4842.52,2007.87 4842.52,2086.61 ; 4881.89,2007.87 4881.89,2086.61 ; 4921.26,2007.87 4921.26,2086.61 ; 4960.63,2007.87 4960.63,2086.61 ; 5000,1929.13 5000,2086.61 ; 5039.37,2007.87 5039.37,2086.61 ; 5078.74,2007.87 5078.74,2086.61 ; 5118.11,2007.87 5118.11,2086.61 ; 5157.48,2007.87 5157.48,2086.61 ; 5196.85,1968.5 5196.85,2086.61 ; 5236.22,2007.87 5236.22,2086.61 ; 5275.59,2007.87 5275.59,2086.61 ; 5314.96,2007.87 5314.96,2086.61 ; 5354.33,2007.87 5354.33,2086.61 ; 5393.7,1929.13 5393.7,2086.61 ; 5433.07,2007.87 5433.07,2086.61 ; 5472.44,2007.87 5472.44,2086.61 ; 5511.81,2007.87 5511.81,2086.61 ; 5551.18,2007.87 5551.18,2086.61 ; 5590.55,1968.5 5590.55,2007.87 5590.55,2086.61 ; 5629.92,2007.87 5629.92,2086.61 ; 5669.29,2007.87 5669.29,2086.61 ; 5708.66,2007.87 5708.66,2086.61 ; 5748.03,2007.87 5748.03,2086.61 ; 5787.4,1929.13 5787.4,2086.61 ; 5826.77,2007.87 5826.77,2086.61 ; 5866.14,2007.87 5866.14,2086.61 ; 5905.51,2007.87 5905.51,2086.61 ; 5944.88,2007.87 5944.88,2086.61 ; 5984.25,1968.5 5984.25,2086.61 ; 6023.62,2007.87 6023.62,2086.61 ; 6062.99,2007.87 6062.99,2086.61 ; 6102.36,2007.87 6102.36,2086.61 ; 6141.73,2007.87 6141.73,2086.61 ; 6181.1,1929.13 6181.1,2086.61 ; 6220.47,2007.87 6220.47,2086.61 ; 6259.84,2007.87 6259.84,2086.61 ; 6299.21,2007.87 6299.21,2086.61 ; 6338.58,2007.87 6338.58,2086.61 ; 6377.95,1968.5 6377.95,2086.61 ; 6417.32,2007.87 6417.32,2086.61 ; 6456.69,2007.87 6456.69,2086.61 ; 6496.06,2007.87 6496.06,2086.61 ; 6535.43,2007.87 6535.43,2086.61 ; 6574.8,1929.13 6574.8,2086.61 ; 6614.17,2007.87 6614.17,2086.61 ; 6653.54,2007.87 6653.54,2086.61 ; 6692.91,2007.87 6692.91,2086.61 ; 6732.28,2007.87 6732.28,2086.61 ; 6771.65,1968.5 6771.65,2007.87 6771.65,2086.61 ; 6811.02,2007.87 6811.02,2086.61 ; 6850.39,2007.87 6850.39,2086.61 ; 6889.76,2007.87 6889.76,2086.61 ; 6929.13,2007.87 6929.13,2086.61 ; 6968.5,1929.13 6968.5,2086.61
  Bottom Layer w3.94: 4694.43,1260 4694.43,1310 ; 4694.43,1292.83 4694.43,1233.27 ; 4694.43,2017 4694.43,1233.27 ; 4695,1272 4733,1234 ; 4695,2016.73 5623,2016.73 ; 4711.17,1233.27 4764,1233.27 ; 4749,1233.27 4694.43,1233.27 ; 5623,1233.27 4694.43,1233.27 ; 5623.57,1233 5623.57,2017
  Bottom Layer w10: 2253.8,1137.35 2253.8,1314
  Bottom Layer w20: 2343.8,1142.35 2343.8,1319
  Bottom Layer w30: 2443.8,1146.35 2443.8,1323
  Bottom Layer w40: 2548.8,1152.35 2548.8,1329
  Bottom Layer w50: 2661.8,1157.35 2661.8,1334
  other v1: 1104.43,1383.16
  other v2: 1352.46,1385.13
  other v3: 1571.94,1387.09
  other v4: 1745.17,1390.05
  other v5: 1914.46,1390.05
  other v6: 2055.21,1390.05

## Keep-outs
Keep-Out Layer:
  lines w0: 944.88,2007.87 ccw(c944.88,2007.87) 944.88,2007.87
  lines w10: 1024.35,1136.1 7007.87,1136.1 ccw(c7007.87,1214.84) 7086.61,1214.84 ; 1024.35,1137.16 cw(c1024.35,1216.63) 944.88,1216.63 944.88,2007.87 cw(c1023.62,2007.87) 1023.62,2086.61 7007.87,2086.61 cw(c7007.87,2007.87) 7086.61,2007.87 7086.61,1207

## Other copper
Top Layer:
  text "0 cm" at 1092.36,1889.76 h90
  text "1" at 1486.06,1889.76 h90
  text "2" at 1879.76,1889.76 h90
  text "3" at 2273.46,1889.76 h90
  text "4" at 2667.17,1889.76 h90
  text "5" at 3060.87,1889.76 h90
  text "6" at 3454.57,1889.76 h90
  text "7" at 3848.27,1889.76 h90
  text "8" at 4241.97,1889.76 h90
  text "9" at 4635.67,1889.76 h90
  text "10" at 5028.37,1889.76 h90
  text "11" at 5423.07,1889.76 h90
  text "12" at 5816.77,1889.76 h90
  text "13" at 6209.47,1889.76 h90
  text "14" at 6604.17,1889.76 h90
  text "15" at 6990.5,1889.76 h90
  text "GND" at 5765,1819 h86.61 r270
  text "VCC" at 5374,1815 h86.61 r270
  text "Data-" at 5471.5,1815 h86.61 r270
  text "Data+" at 5569,1815 h86.61 r270
  text "ID" at 5665.86,1814.92 h86.61 r270
  text "三极管" at 2353,1809 h86.61
  text "1812" at 2142.72,1785.43 h106.3 r270
  text "C(D)" at 2948,1768 h86.61
  text "1210" at 1883,1766 h94.49 r270
  text "1206" at 1638.78,1754.92 h82.68 r270
  text "学生电子技术协会" at 3456,1718 h157.48
  text "0805" at 1454,1717 h70.87 r270
  text "场效应管" at 2319,1711 h86.61
  text "0603" at 1270.68,1678.36 h59.06 r270
  text "0402" at 1113.19,1652.6 h47.24 r270
  text "(G)B" at 2733,1619 h86.61
  text "E(S)" at 3050,1618 h86.61
  text "SOT-23" at 2844,1506 h86.61
  text "(字面)" at 2396,1453 h60
  text "E B C" at 2371,1392 h86.61
  text "G D S" at 2370,1310 h86.61
  text "0.5" at 2024,1266.34 h47.24
  text "0.7" at 1880,1258.05 h59.06
  text "0.9" at 1702,1249.68 h70.87
  text "1.5" at 1515,1241.69 h82.68
  text "2.0" at 1286,1233 h94.49
  text "3.0" at 1029.62,1224.72 h106.3
  text "SOT-23-5" at 2802,1183.89 h86.61
  text "SOT-223" at 3398,1183.89 h86.61
  text "SSOP-24" at 3940,1183.98 h78.74
  text "TO-92" at 2368,1183 h86.61
  text "Mini-USB" at 4868,1182.98 h78.74
  text "Micro-USB" at 5407,1182.98 h78.74
  text "SOP" at 4476,1182 h78.74
  text "Φ(mm)" at 1941,1180 h66.93
Bottom Layer:
  text "LQFP-144" at 6083,1931 h80
  text "LQFP-100" at 6232,1767 h70
  text "NB-IOT" at 5296,1666 h100
  text "QFN-28" at 2606,1642 h86.61
  text "2000-2018" at 1306,1601 h60
  text "BGA100" at 2214,1553 h86.61
  text "BC95" at 5260,1539 h100
  text "LQFP-48" at 6345,1521 h60
  text "UFBGA176" at 1774,1487 h86.61
  text "50mil" at 2641,1376 h60 r270
  text "40mil" at 2525.5,1370.94 h60 r270
  text "Electronic Technology" at 4578.94,1363.63 h137.8
  text "30mil" at 2425,1357 h60 r270
  text "20mil" at 2321.44,1350.94 h60 r270
  text "10mil" at 2235,1342.94 h60 r270
  text "100mil=2.54mm" at 1880,1199 h94.49
  text "TO-263-5" at 3144,1186 h86.61
  text "Association" at 4242,1186 h137.8

## Silkscreen, mask and mechanical layers (free items; w line width, h text height)
Bottom Overlay:
  circle w9.84: c2279,2039 r4.92
  lines w7.87: 1898,1656 2274,1656 2274,2015 2258,2031 1898,2031 1898,1656
Top Solder:
  drawing of 835 lines, arcs and shapes, not listed
  text "0 cm" at 1092.36,1889.76 h90
  text "1" at 1486.06,1889.76 h90
  text "2" at 1879.76,1889.76 h90
  text "3" at 2273.46,1889.76 h90
  text "4" at 2667.17,1889.76 h90
  text "5" at 3060.87,1889.76 h90
  text "6" at 3454.57,1889.76 h90
  text "7" at 3848.27,1889.76 h90
  text "8" at 4241.97,1889.76 h90
  text "9" at 4635.67,1889.76 h90
  text "10" at 5028.37,1889.76 h90
  text "11" at 5423.07,1889.76 h90
  text "12" at 5816.77,1889.76 h90
  text "13" at 6209.47,1889.76 h90
  text "14" at 6604.17,1889.76 h90
  text "15" at 6990.5,1889.76 h90
  text "GND" at 5765,1819 h86.61 r270
  text "VCC" at 5374,1815 h86.61 r270
  text "Data-" at 5471.5,1815 h86.61 r270
  text "Data+" at 5569,1815 h86.61 r270
  text "ID" at 5665.86,1814.92 h86.61 r270
  text "三极管" at 2353,1809 h86.61
  text "1812" at 2142.72,1785.43 h106.3 r270
  text "C(D)" at 2948,1768 h86.61
  text "1210" at 1883,1766 h94.49 r270
  text "1206" at 1638.78,1754.92 h82.68 r270
  text "0805" at 1454,1717 h70.87 r270
  text "学生电子技术协会" at 3456,1717 h157.48
  text "场效应管" at 2319,1711 h86.61
  text "0603" at 1270.68,1678.36 h59.06 r270
  text "0402" at 1113,1653 h47.24 r270
  text "(G)B" at 2733,1619 h86.61
  text "E(S)" at 3050,1618 h86.61
  text "SOT-23" at 2844,1506 h86.61
  text "(字面)" at 2396,1453 h60
  text "E B C" at 2371,1393 h86.61
  text "G D S" at 2370,1311 h86.61
  text "0.5" at 2024,1266.34 h47.24
  text "0.7" at 1880,1258.05 h59.06
  text "0.9" at 1702,1249.68 h70.87
  text "1.5" at 1515,1241.69 h82.68
  text "2.0" at 1286,1233 h94.49
  text "3.0" at 1029.62,1224.72 h106.3
  text "TO-92" at 2368,1184 h86.61
  text "SOT-23-5" at 2802,1183.89 h86.61
  text "SOT-223" at 3398,1183.89 h86.61
  text "SSOP-24" at 3940,1183.98 h78.74
  text "Mini-USB" at 4868,1182.98 h78.74
  text "Micro-USB" at 5407,1182.98 h78.74
  text "SOP" at 4476,1182 h78.74
  text "Φ(mm)" at 1941,1180 h66.93
Bottom Solder:
  lines w10: 2253.8,1137.35 2253.8,1314
  lines w20: 2343.8,1142.35 2343.8,1319
  lines w30: 2443.8,1146.35 2443.8,1323
  lines w40: 2548.8,1152.35 2548.8,1329
  lines w50: 2661.8,1157.35 2661.8,1334
  text "LQFP-144" at 6083,1931 h80
  text "LQFP-100" at 6232,1767 h70
  text "NB-IOT" at 5296,1666 h100
  text "QFN-28" at 2606,1642 h86.61
  text "2000-2018" at 1306,1601 h60
  text "BGA100" at 2214,1553 h86.61
  text "BC95" at 5260,1539 h100
  text "LQFP-48" at 6345,1521 h60
  text "UFBGA176" at 1774,1487 h86.61
  text "50mil" at 2641,1376 h60 r270
  text "40mil" at 2525.5,1370.94 h60 r270
  text "Electronic Technology" at 4578.94,1363.63 h137.8
  text "30mil" at 2425,1357 h60 r270
  text "20mil" at 2321.44,1350.94 h60 r270
  text "10mil" at 2235,1342.94 h60 r270
  text "100mil=2.54mm" at 1880,1199 h94.49
  text "TO-263-5" at 3144,1186 h86.61
  text "Association" at 4242,1186 h137.8

## Text inside footprints (layer, text, board x,y; h text height)
LOGO1: Top Layer "1918" at 6258.1,1422.18 h50; Top Solder "1918" at 6258.1,1422.18 h50
LOGO2: Bottom Layer "协" at 1164.1,1761.74 h35; Bottom Layer "电" at 1201.1,1761.74 h35; Bottom Layer "大" at 1128.1,1796.74 h35; Bottom Layer "集" at 1233.1,1796.74 h35; Bottom Solder "集" at 1233.1,1796.74 h35; Bottom Solder "大" at 1128.1,1796.74 h35; Bottom Solder "电" at 1201.1,1761.74 h35; Bottom Solder "协" at 1164.1,1761.74 h35
R6: Top Overlay "~" at 2083.17,1664.46 h98.43 r90
U13: Bottom Overlay "LQFP144" at 6440.71,1875.29 h60
?: Top Overlay "+" at 5446.24,1521.21 h39.37
?: Bottom Layer "1918-2018" at 3887.3,1573.98 h70; Bottom Solder "1918-2018" at 3887.3,1573.98 h70